# Altium PCB AMDC_uAMDC_Overlay.PcbDoc (part 4 of 6) (continued)
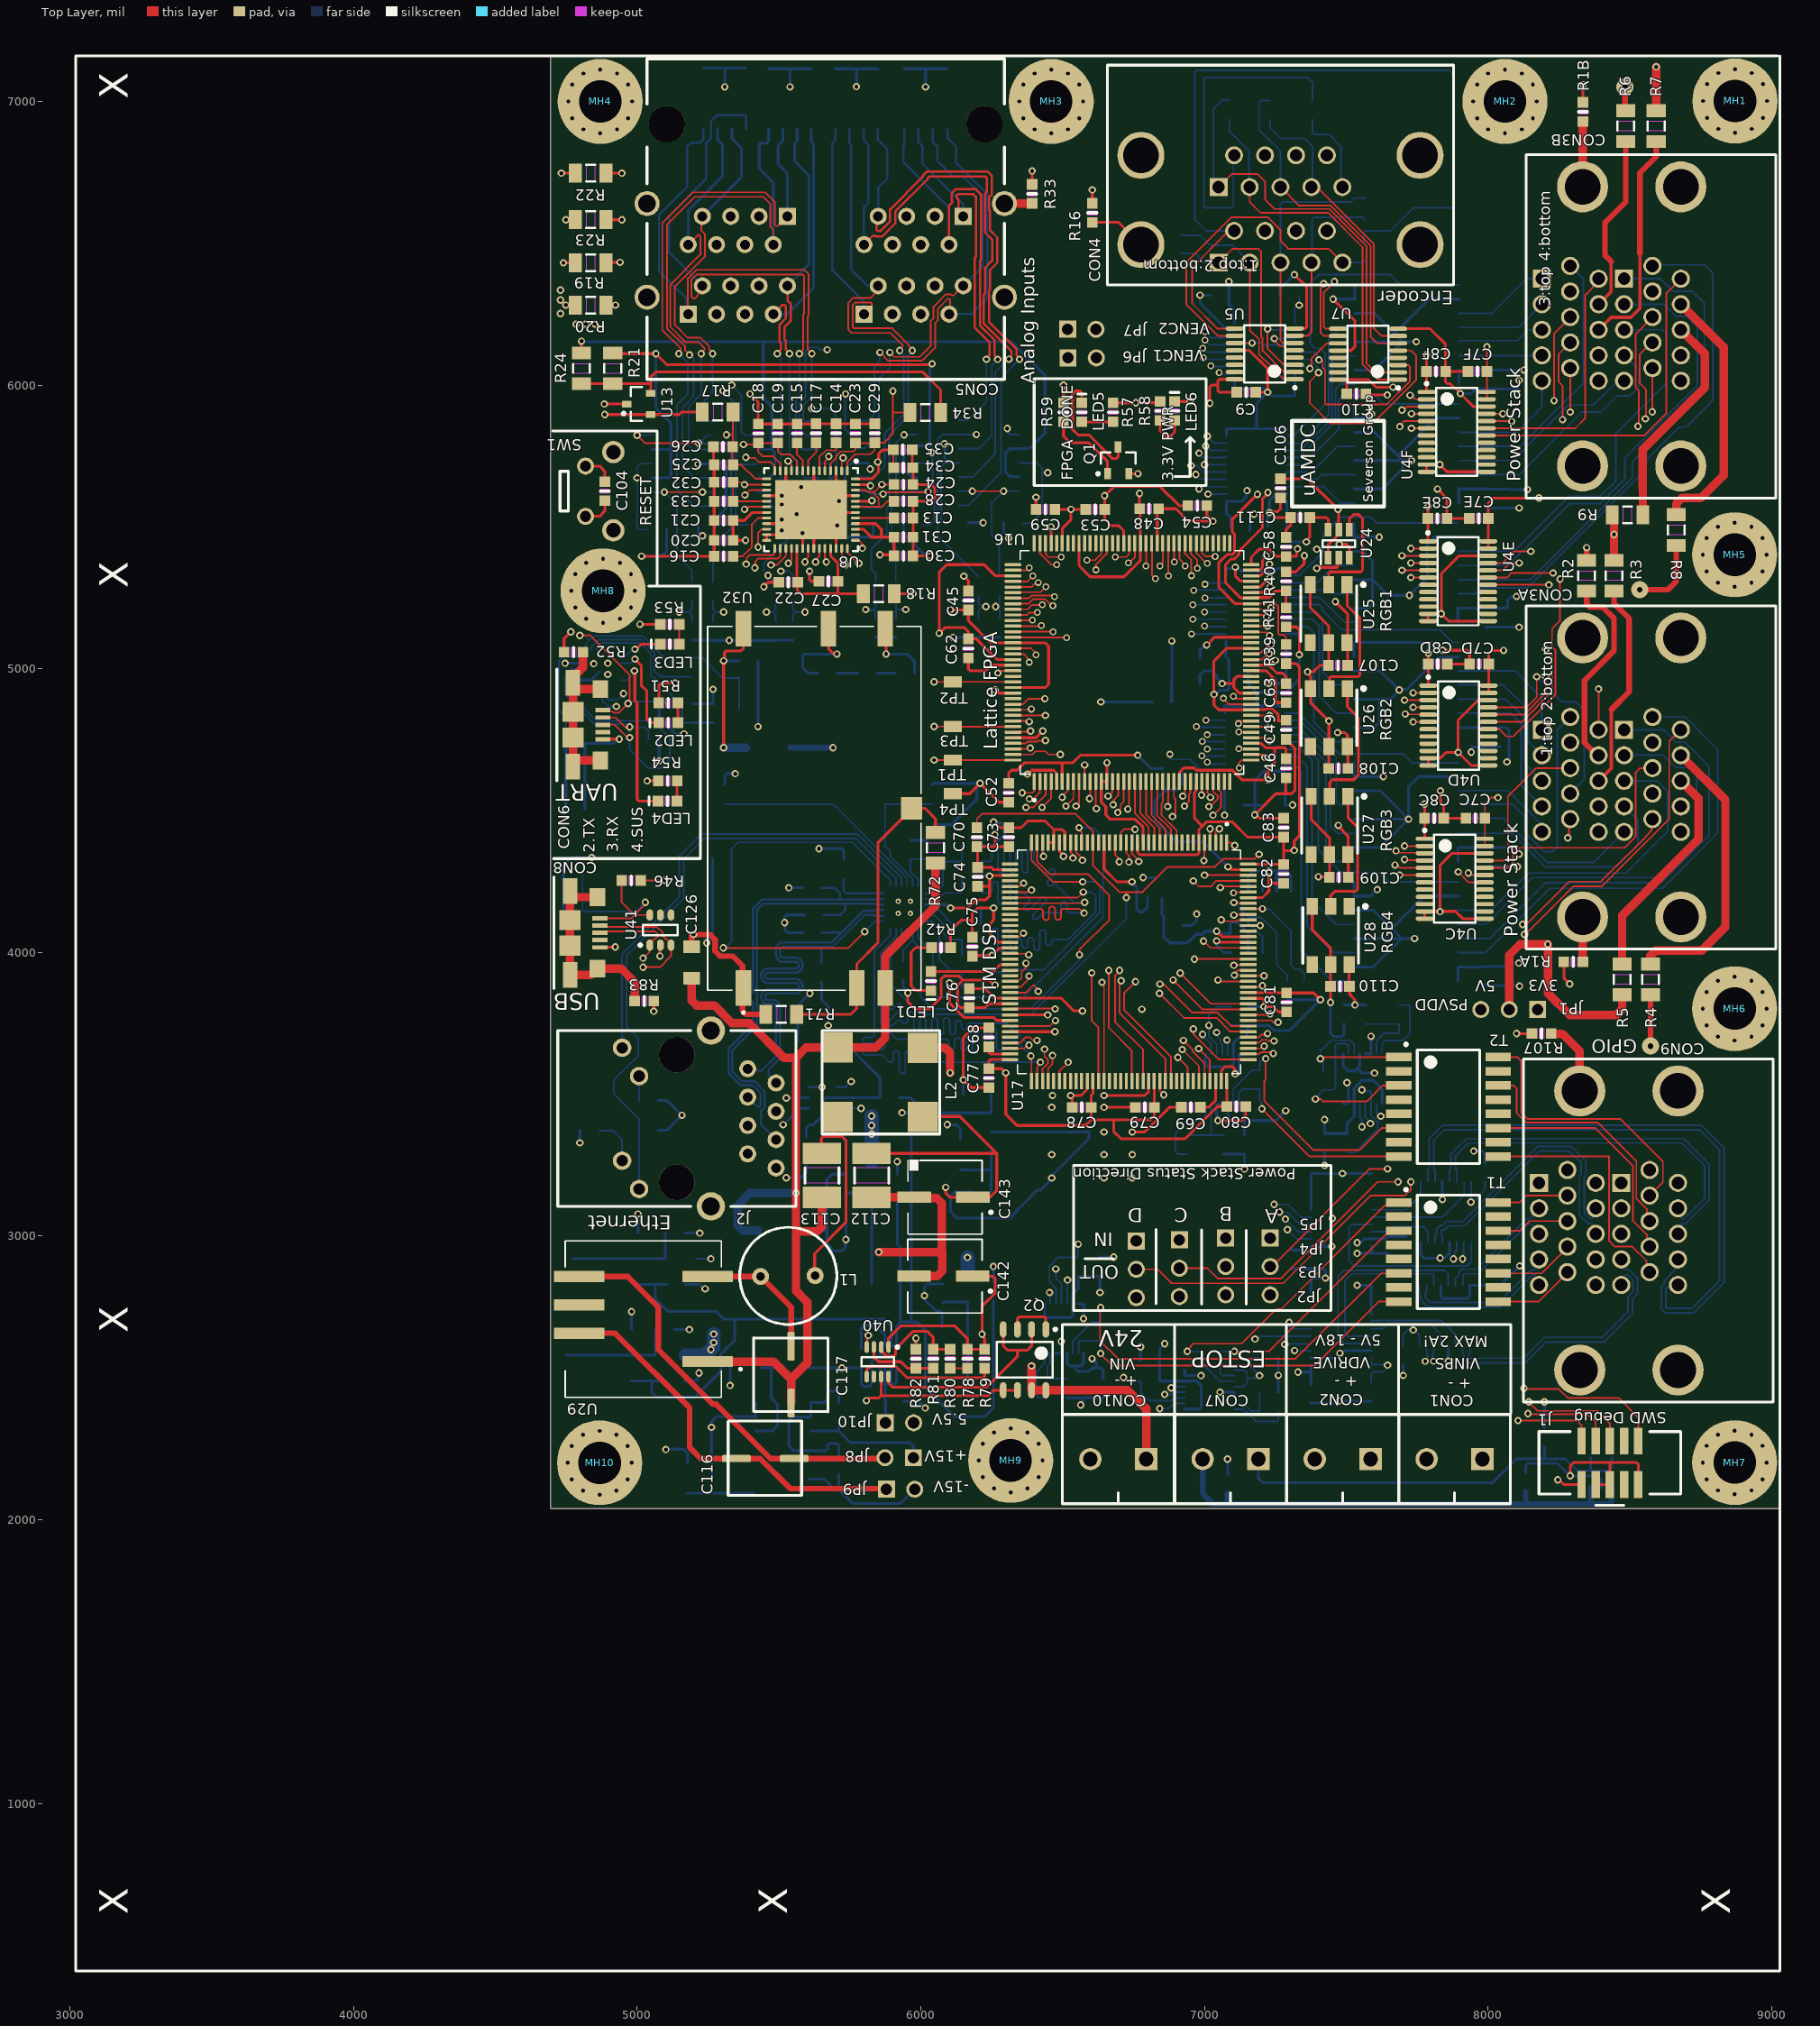
[diagram p0: Top Layer view]
## Nets (pads, with @x,y where several pads share a name; then routed paths per layer and width w, separated by ;. In a path a pad name is that pad's centre, name@x,y a point inside that pad or via, vN(x,y) a via of type N, cw(c..) or ccw(c..) an arc to the next point about the centre after c; other vN are vias at no path point) (continued)
  other v1: 5262,2326 7475,2418.44 7831.3,2923 6462,3205 6646.2,3205 6746,3205 6462,3287.65 6646.2,3287.65 6746,3287.65 6646.2,3367 6462,3454 6464.64,3495.64 6528.09,3495.64 4896.38,4979.94 4847,5018 4896.38,5019.31 5510.15,5487.94 5510.15,5579.32 5711.83,5591.73 5510.15,5610.21 5578.79,5640
  other v5: 5920.35,4137.35 5963.65,4137.35 5920.35,4180.65 5963.65,4180.65
GND_IN: C112.1 C142.2 C143.2 CON10.2 L2.2 R82.2 U40.4 | length 3520.6
  Top Layer w10: U40.4@5809.61,2609.17 5810.71,2610.27 5810.71,2641.38 5815,2645.67 v1(5815,2650) ; R82.2@5983,2601.46 v2(5983,2640.16)
  Top Layer w30: C112.1@5827,3136.52 5827.24,3136.76 5977.07,3136.76 C143.2@5977.31,3137 5980.34,3133.97 6056.65,3133.97 6074.23,3116.39 6074.23,2944.05 ; v2(5852.05,2944.05) 6074.23,2944.05 ; C142.2@5976.31,2859 6057.61,2859 6075.18,2876.57 6075.18,2945 6074.23,2944.05 ; L2.2@6007,3664 6086.08,3664 6103.65,3646.43 6103.65,3575.63 v2@6103.7,3575.58
  Int2 (Sign) w30: v1(5815,2650) 5815,2655.54 5851.46,2692 ; v2(5852.05,2944.05) 5852.05,2842.05 5851.46,2841.46 5851.46,2692 ; v2(5983,2640.16) 5983,2692 ; v2@6103.7,3575.58 v2(6103.65,3575.54) 6103.65,3525 6341,3287.65 6341,2692 ; CON10.2@6598.15,2214 6598.15,2469.69 6375.84,2692 6341,2692 ; 5851.46,2692 5983,2692 ; 5983,2692 6341,2692
GND_IN2: C113.1 C117.2 C123.1 C126.1 L2.3 R72.2 U29.1 U32.3 | length 3714.8
  Top Layer w30: C126.1@5192,3908.57 5192,3830.83 5209.57,3813.25 5272.16,3813.25 5334.41,3751 5395.63,3751 5517.63,3629 5560,3629 ; U29.1@5248.38,2558 5481,2558 5543,2496 ; C117.2@5543,2412 5543,2496 ; C113.1@5652,3136.52 5652,3034.57 5634.43,3017 5560,3017 ; R72.2@6052,4314.87 6052,4164 5874.69,3986.69 U32.3@5874.69,3874.54 5874.69,3698.41 5841.19,3664.91 L2.3@5707.79,3664.91 5595.91,3664.91 5560,3629 ; 5543,2496 5600,2553 5600,2767.29 5560,2807.29 5560,3017 ; 5560,3017 v2(5560,3152) 5560,3629
  Bottom Layer w30: C123.1@5425.52,3020 5371.57,3020 5354,3037.57 5354,3108 5398,3152 v2(5560,3152)
GND_IN_PS: CON1.2 CON3A.14A CON3A.14B CON3B.14A CON3B.14B | length 7739.5
  Int2 (Sign) w20: 8374,4361.12 8374,4373.12 8342,4405.12 8342,4467 CON3A.14A@8390,4515 ; CON3B.14A@8390,6105 8378.09,6105 8342,6068.91 8342,5995.12 8385.12,5952 8453.9,5952
  Int2 (Sign) w50: CON1.2@7784,2214 7923,2075 8463,2075 8995,2607 8995,3414.06 8665,3744.06 8665,3887.06 ; 8374,4361.12 8559,4176.12 8559,3993.06 8665,3887.06 ; 8453.9,5952 8639,5952 8710.51,5880.49 8995,5880.49 ; CON3A.14B@8680,4515 8995,4515 ; CON3B.14B@8680,6105 8681.16,6103.84 8869.16,6103.84 8995,5978 8995,5880.49 ; 8665,3887.06 8676.53,3875.53 8995,4194 8995,4515 ; 8995,4515 8995,4998 8655,5338 8655,5442.97 8995,5782.97 8995,5880.49
GPIO_IN1: U4A.21 U45.5 | length 783.4
  Bottom Layer w6: U4A.21@7588.3,2622.02 7493,2622.02 7471,2644.02 7471,2858 7492.08,2879.08 7847.82,2879.08 7859.82,2867.08 U45.5@7859.82,2826.59
GPIO_IN1_N: CON9.3A U45.7 | length 399.6
  Bottom Layer w6: U45.7@7911,2826.59 7912.87,2828.45 7912.87,2865.43 7914.51,2867.08 7965.55,2867.08 8143.47,3045 8148.44,3045 8180,3013.44 CON9.3A@8180,3008
GPIO_IN1_P: CON9.2A U45.6 | length 430.1
  Bottom Layer w6: U45.6@7885.41,2826.59 7885.41,2851.16 7896.87,2862.62 7896.87,2872.06 7907.89,2883.08 7958.93,2883.08 8136.84,3061 8148.44,3061 8180,3092.56 CON9.2A@8180,3098
GPIO_IN2: U4A.20 U45.3 | length 643.7
  Bottom Layer w6: U4A.20@7588.3,2647.61 7504.39,2647.61 7496,2656 7496,2836 7495.49,2836.51 7495.49,2841.49 7521.08,2867.08 7805.12,2867.08 7808.64,2863.57 U45.3@7808.64,2826.59
GPIO_IN2_N: CON9.5A U45.1 | length 555.6
  Bottom Layer w6: U45.1@7757.46,2826.59 7757.46,2800.33 7762.25,2795.53 7762.25,2777.27 7789.52,2750 8044.02,2750 8159.02,2865 8163.99,2865 8168.9,2860.09 8168.9,2839.1 CON9.5A@8180,2828
GPIO_IN2_P: CON9.4A U45.2 | length 529.1
  Bottom Layer w6: U45.2@7783.05,2826.59 7783.05,2800.33 7778.25,2795.53 7778.25,2783.89 7796.15,2766 8037.39,2766 8152.39,2881 8163.99,2881 8168.9,2885.91 8168.9,2906.9 CON9.4A@8180,2918
GPIO_IN3: U4A.19 U45.13 | length 308
  Bottom Layer w6: U4A.19@7588.3,2673.2 7628,2673.2 7645.77,2690.98 7796.24,2690.98 7834.23,2652.99 U45.13@7834.23,2613.99
GPIO_IN3_N: CON9.3B U45.15 | length 1191.8
  Int2 (Sign) w6: v4(7778.64,2559) 7778.64,2554.13 7785.64,2547.13 7785.64,2521.73 7813.37,2494 8149.54,2494 8282.54,2627 8332.49,2627 8474,2768.51 8474,2783.49 8477.51,2787 8486.98,2787 8511,2811.02 8511,2967 CON9.3B@8470,3008
  Bottom Layer w6: v4(7778.64,2559) 7778.64,2562.31 7787.84,2571.51 7787.84,2582.93 7783.05,2587.73 U45.15@7783.05,2613.99
GPIO_IN3_P: CON9.2B U45.14 | length 1219
  Int2 (Sign) w6: v4(7808.64,2559) 7808.64,2554.13 7801.64,2547.13 7801.64,2528.36 7820,2510 8142.91,2510 8275.91,2643 8325.86,2643 8458,2775.14 8458,2783.49 8454.49,2787 8453.02,2787 8429,2811.02 8429,3057 CON9.2B@8470,3098
  Bottom Layer w6: v4(7808.64,2559) 7805.19,2562.44 7805.19,2570.16 7803.84,2571.51 7803.84,2582.93 7808.64,2587.73 U45.14@7808.64,2613.99
GPIO_IN4: U4A.18 U45.11 | length 358.3
  Bottom Layer w6: U4A.18@7588.5,2699 7592.48,2702.98 7835.42,2702.98 7885.41,2652.99 U45.11@7885.41,2613.99
GPIO_IN4_N: CON9.5B U45.9 | length 869.6
  Bottom Layer w6: U45.9@7936.59,2613.99 7936.59,2587.73 7931.8,2582.93 7931.8,2573.49 7935.31,2569.98 8125.14,2569.98 8198.17,2643 8404,2643 8493.31,2732.31 8493.31,2784.49 8511,2802.18 8511,2844.98 8490.98,2865 8486.01,2865 8481.1,2860.09 8481.1,2839.1 CON9.5B@8470,2828
GPIO_IN4_P: CON9.4B U45.10 | length 949.1
  Bottom Layer w6: U45.10@7911,2613.99 7911,2587.73 7915.8,2582.93 7915.8,2566.86 7928.68,2553.98 8131.77,2553.98 8204.79,2627 8410.63,2627 8509.31,2725.69 8509.31,2777.86 8527,2795.55 8527,2851.61 8497.61,2881 8486.01,2881 8481.1,2885.91 8481.1,2906.9 CON9.4B@8470,2918
GPIO_OUT1: U4B.21 U44.7 | length 251.6
  Bottom Layer w6: U4B.21@7589.3,3016.02 7651.53,3016.02 7668.51,3033 7773.53,3033 7788.02,3018.5 U44.7@7788.02,2978.7
GPIO_OUT1_N: CON9.13A U44.5 | length 953.7
  Bottom Layer w6: U44.5@7839.2,2978.7 7839.2,3004.96 7834.41,3009.76 7834.41,3019.2 7837.92,3022.71 7847,3022.71 7859.82,3035.54 7917.54,3035.54 8182,3300 8287,3300 8329,3258 8329,3217.61 8323,3211.61 8323,3074.39 8352.39,3045 8363.99,3045 8368.9,3040.09 8368.9,3019.1 CON9.13A@8380,3008
GPIO_OUT1_P: CON9.12A U44.6 | length 980.2
  Bottom Layer w6: U44.6@7813.61,2978.7 7813.61,3004.96 7818.41,3009.76 7818.41,3025.82 7831.3,3038.71 7840.37,3038.71 7853.19,3051.54 7910.91,3051.54 8175.37,3316 8293.63,3316 8345,3264.63 8345,3210.98 8339,3204.98 8339,3081.02 8359.02,3061 8363.99,3061 8368.9,3065.91 8368.9,3086.9 CON9.12A@8380,3098
GPIO_OUT2: U4B.20 U44.1 | length 714.8
  Bottom Layer w6: U4B.20@7589.3,3041.61 7588.63,3040.95 7521.08,3040.95 7509.52,3029.38 7509.52,2913.75 7528.19,2895.08 7926.08,2895.08 7941.57,2910.57 U44.1@7941.57,2978.7
GPIO_OUT2_N: CON9.15A U44.3 | length 744.6
  Int2 (Sign) w6: v1(7878.47,2919.88) 7880.81,2917.53 7880.81,2897.88 8032.69,2746 8271.63,2746 8332.54,2806.91 8332.54,2838.52 8359.02,2865 8363.99,2865 8368.9,2860.09 8368.9,2839.1 CON9.15A@8380,2828
  Bottom Layer w6: v1(7878.47,2919.88) 7878,2920.35 7878,2931.89 7884.56,2938.44 7884.56,2946.61 7890.39,2952.44 U44.3@7890.39,2978.7
GPIO_OUT2_P: CON9.14A U44.2 | length 713.9
  Int2 (Sign) w6: v1(7910.47,2919.88) 7906.64,2916.06 7906.64,2900.02 7903.97,2897.34 8039.31,2762 8265,2762 8316.54,2813.54 8316.54,2845.15 8352.39,2881 8363.99,2881 8368.9,2885.91 8368.9,2906.9 CON9.14A@8380,2918
  Bottom Layer w6: v1(7910.47,2919.88) 7913.98,2923.4 7914.11,2923.4 7914.11,2976.84 U44.2@7915.98,2978.7
GPIO_OUT3: U4B.19 U44.15 | length 405.8
  Bottom Layer w6: U4B.19@7589.3,3067.2 7839.2,3067.2 7915.98,3143.98 U44.15@7915.98,3191.3
GPIO_OUT3_N: CON9.13B U44.13 | length 1368.4
  Bottom Layer w6: U44.13@7864.8,3191.3 7864.8,3232.2 7869.59,3237 7869.59,3289.22 7924.37,3344 8689.63,3344 8780,3253.63 8780,3127.39 8697.61,3045 8686.01,3045 8681.1,3040.09 8681.1,3019.1 CON9.13B@8670,3008
GPIO_OUT3_P: CON9.12B U44.14 | length 1288.9
  Bottom Layer w6: U44.14@7890.39,3191.3 7890.39,3232.2 7885.59,3237 7885.59,3282.59 7931,3328 8683,3328 8764,3247 8764,3134.02 8690.98,3061 8686.01,3061 8681.1,3065.91 8681.1,3086.9 CON9.12B@8670,3098
GPIO_OUT4: U4B.18 U44.9 | length 241.7
  Bottom Layer w6: U4B.18@7589.3,3092.8 7711.25,3092.8 7762.43,3143.98 U44.9@7762.43,3191.3
GPIO_OUT4_N: CON9.15B U44.11 | length 2006.8
  Bottom Layer w6: U44.11@7813.61,3191.3 7813.61,3232.2 7808.82,3237 7808.82,3337.72 7846.1,3375 8746,3375 8816,3305 8816,2842 8720,2746 8630.51,2746 8627,2749.51 8627,2814.4 8632.51,2819.92 8661.92,2819.92 CON9.15B@8670,2828
GPIO_OUT4_P: CON9.14B U44.10 | length 2192.2
  Bottom Layer w6: U44.10@7788.02,3191.3 7788.02,3232.2 7792.82,3237 7792.82,3344.34 7839.48,3391 8752.63,3391 8832,3311.63 8832,2835.37 8726.63,2730 8623.89,2730 8611,2742.89 8611,2821.03 8623,2833.03 8623,2843.31 8658.9,2879.21 8658.9,2906.9 CON9.14B@8670,2918
IMA: R103.2 T1.3 U20A.10 | length 937.6
  Top Layer w6: v2(7106,2594) 7228,2594 7641,3007 7674,3007 T1.3@7686,3019
  Bottom Layer w6: U20A.10@7106,2508.68 7063.68,2508.68 7055.46,2516.9 R103.2@7055.46,2594 v2(7106,2594)
IMB: R104.2 T1.8 U20B.10 | length 1327.7
  Top Layer w6: v2(6634.27,2586.4) 6634.27,2584.13 6674.4,2544 7389.37,2544 7614.37,2769 T1.8@7686,2769
  Bottom Layer w6: U20B.10@6555.21,2586.4 6555.92,2587.11 6555.92,2625.21 6562.24,2631.54 R104.2@6632,2631.54 6634.27,2629.27 v2(6634.27,2586.4)
IMC: R105.2 T2.3 U20C.10 | length 639.4
  Top Layer w6: v2(7391.8,3483.22) 7410.87,3483.22 7419.35,3474.74 7572.74,3474.74 7629,3531 T2.3@7686,3531
  Bottom Layer w6: v2(7391.8,3483.22) 7391.8,3484.89 7403.65,3496.74 7403.65,3499.83 R105.2@7419.35,3515.54 7453.54,3515.54 7462,3524 7462,3671.64 7468.81,3678.45 7501.36,3678.45 7508.18,3671.64 7508.18,3643.49 U20C.10@7508.79,3642.87
IMD: R106.2 T2.8 U20D.10 | length 745.8
  Top Layer w6: v2(7203,3449) 7371,3281 T2.8@7686,3281
  Bottom Layer w6: U20D.10@7122.21,3464.4 7122.21,3506.72 7134.02,3518.54 R106.2@7195.68,3518.54 7195.68,3477 7201.68,3471 7201.68,3450.32 v2(7203,3449)
IN1: U4A.3 U17.76 | length 1713.6
  Top Layer w6: U17.76@6449.35,3546.84 6449.35,3592.43 6464.64,3607.71 v2(6464.64,3636.95)
  Int2 (Sign) w6: v2(6464.64,3636.95) 6660.78,3636.95 7185.75,3111.97 7271,3026.73 7271,2776.85 7247,2752.85 7247,2615 7265.57,2596.43 v2(7318,2596.43)
  Bottom Layer w6: v2(7318,2596.43) U4A.3@7375.7,2596.43
IN2: U4A.4 U17.116 | length 1412.1
  Top Layer w6: U17.116@7154.87,3760.23 7236.92,3760.23 7243,3754.15 v1(7259.79,3754.15)
  Int2 (Sign) w6: v1(7259.79,3754.15) 7259.79,3749.18 7257.78,3747.17 7354,3650.95 7354,2791.78 7277,2714.78 7277,2672.59 7283.55,2666.04 v1(7283.55,2618.43)
  Bottom Layer w6: v1(7283.55,2618.43) 7285.34,2620.23 7373.91,2620.23 U4A.4@7375.7,2622.02
IN3: U4A.5 U17.78 | length 1610.1
  Top Layer w6: U17.78@6488.72,3546.84 6488.72,3581.72 v2(6520,3613)
  Int2 (Sign) w6: v2(6520,3613) 6658.6,3613 7164.65,3106.94 7164.65,2651.2 v1(7178.49,2637.37)
  Bottom Layer w6: v1(7178.49,2637.37) 7183.9,2637.37 7194.14,2647.61 U4A.5@7375.7,2647.61
IN4: U4A.6 U17.124 | length 1495.2
  Top Layer w6: U17.124@7154.87,3917.71 v2(7210.68,3917.71)
  Int2 (Sign) w6: v2(7210.68,3917.71) 7263.29,3917.71 7366,3815 7366,2784.2 7299.91,2718.11 7299.91,2697.02 v1(7299,2696.11)
  Bottom Layer w6: v1(7299,2696.11) 7302.83,2692.29 7302.83,2677.49 7307.11,2673.2 U4A.6@7375.7,2673.2
INV1_PWM1: CON3A.1A U1B.11 | length 447.4
  Bottom Layer w6: U1B.11@7894.93,4993 8095,4993 8190,4898 CON3A.1A@8190,4785
INV1_PWM2: CON3A.2A U1B.12 | length 464
  Bottom Layer w6: U1B.12@7894.93,4943 8055,4943 8141,4857 8141,4744 CON3A.2A@8190,4695
INV1_PWM3: CON3A.3A U1B.13 | length 508.7
  Bottom Layer w6: U1B.13@7894.93,4893 8063,4893 8129,4827 8129,4666 CON3A.3A@8190,4605
INV1_PWM4: CON3A.4A U1B.14 | length 559.2
  Bottom Layer w6: U1B.14@7894.93,4843 8081,4843 8117,4807 8117,4588 CON3A.4A@8190,4515
INV1_PWM5: CON3A.5A U3C.11 | length 368.8
  Bottom Layer w6: U3C.11@7897,4571 8070.14,4571 8179.84,4461.31 8179.84,4435.16 CON3A.5A@8190,4425
INV1_PWM6: CON3A.6A U3C.12 | length 921.5
  Bottom Layer w6: U3C.12@7907,4523 8086,4523 8129,4480 8129,4425 8198,4356 8227,4356 8244,4373 8244,4784 CON3A.6A@8290,4830
INV2_PWM1: CON3A.1B U1C.13 | length 1631.5
  Bottom Layer w6: U1C.13@7895,4049 8007,4049 8204,4246 8612,4246 8780,4414 8780,4607.37 8780,4655.81 8693.81,4742 8662.19,4742 8619.19,4785 CON3A.1B@8480,4785
INV2_PWM2: CON3A.2B U1C.12 | length 1481.4
  Bottom Layer w6: U1C.12@7895,4099 7993.14,4099 8158.14,4264 8607.37,4264 8735,4391.63 8735,4629.75 8712.75,4652 8662.19,4652 8619.19,4695 CON3A.2B@8480,4695
INV2_PWM3: CON3A.3B U1C.11 | length 1174.3
  Bottom Layer w6: U1C.11@7883.02,4149 8012,4149 8143,4280 8486,4280 8633,4427 8633,4567.81 8595.81,4605 CON3A.3B@8480,4605
INV2_PWM4: CON3A.4B U3C.14 | length 872.6
  Bottom Layer w6: U3C.14@7894.93,4420 8085,4420 8204,4301 8452,4301 8529,4378 8529,4466 CON3A.4B@8480,4515
INV2_PWM5: CON3A.5B U3C.13 | length 682.4
  Bottom Layer w6: U3C.13@7907,4473 8054.63,4473 8210.63,4317 8372,4317 CON3A.5B@8480,4425
INV2_PWM6: CON3A.6B U1C.14 | length 1661.7
  Bottom Layer w6: U1C.14@7895,3999 7990.89,3999 8217.89,4226 8614.63,4226 8810,4421.37 8810,4715.81 8695.81,4830 CON3A.6B@8580,4830
INV3_PWM1: CON3B.1A U3A.11 | length 342.6
  Bottom Layer w6: U3A.11@7897.93,6253 8013,6253 8135,6375 CON3B.1A@8190,6375
INV3_PWM2: CON3B.2A U3A.12 | length 326
  Bottom Layer w6: U3A.12@7897.93,6203 8108,6203 CON3B.2A@8190,6285
INV3_PWM3: CON3B.3A U3A.13 | length 309.5
  Bottom Layer w6: U3A.13@7897.93,6153 7901.93,6157 8105.35,6157 8143.35,6195 CON3B.3A@8190,6195
INV3_PWM4: CON3B.4A U3A.14 | length 292.9
  Bottom Layer w6: U3A.14@7897.93,6103 7898.93,6104 8189,6104 CON3B.4A@8190,6105
INV3_PWM5: CON3B.5A U1A.11 | length 422.5
  Bottom Layer w6: U1A.11@7896.93,5834 8102,5834 8190,5922 CON3B.5A@8190,6015
INV3_PWM6: CON3B.6A U1A.12 | length 964.3
  Bottom Layer w6: U1A.12@7896.93,5784 8113,5784 8337,6008 8337,6373 CON3B.6A@8290,6420
INV4_PWM1: CON3B.1B U3B.13 | length 1803.4
  Bottom Layer w6: U3B.13@7893.93,5314 8149.63,5314 8509,5673.37 8509,5730 8763,5984 8763,6289 8721.5,6330.5 8653.5,6330.5 8609,6375 CON3B.1B@8480,6375
INV4_PWM2: CON3B.2B U3B.12 | length 1648.4
  Bottom Layer w6: U3B.12@7893.93,5364 8069.89,5364 8287.89,5582 8395,5582 8483,5670 8483,5743 8739,5999 8739,6204 8701,6242 8662.19,6242 8619.19,6285 CON3B.2B@8480,6285
INV4_PWM3: CON3B.3B U3B.11 | length 1407.3
  Bottom Layer w6: U3B.11@7893.93,5414 8093,5414 8287,5608 8396,5608 8451,5663 8451,5830 8629,6008 8629,6182 8616,6195 CON3B.3B@8480,6195
INV4_PWM4: CON3B.4B U1A.14 | length 896
  Bottom Layer w6: U1A.14@7896.93,5684 8110,5684 8331,5905 8397,5905 8454,5962 8500,5962 8532,5994 8532,6053 CON3B.4B@8480,6105
INV4_PWM5: CON3B.5B U1A.13 | length 699.5
  Bottom Layer w6: U1A.13@7896.93,5734 8087.53,5734 8283.04,5929.5 8372.5,5929.5 8447.67,6004.67 8469.67,6004.67 CON3B.5B@8480,6015
INV4_PWM6: CON3B.6B U3B.14 | length 1874.7
  Bottom Layer w6: U3B.14@7893.93,5264 7958,5264 7979,5285 8139,5285 8533,5679 8533,5710.84 8674.08,5851.92 8697.92,5851.92 8793,5947 8793,6394 8763,6424 8584,6424 CON3B.6B@8580,6420
INV_STS_A1: CON3A.8A U4C.21 | length 562.1
  Top Layer w6: U4C.21@7989.3,4323.98 8059.6,4323.98 8070.14,4334.52 8070.14,4550.14 8170,4650 CON3A.8A@8290,4650
INV_STS_A2: CON3A.8B U4C.20 | length 892.1
  Top Layer w6: U4C.20@7989.3,4298.39 8069.15,4298.39 8088,4317.23 8088,4356.11 8100.89,4369 8481.98,4369 8521,4408.02 8521,4635 8536,4650 CON3A.8B@8580,4650
INV_STS_A3: CON3B.8A U4C.19 | length 2364.5
  Top Layer w6: v2(7931,4280) 7931,4276.89 7926.91,4272.8 U4C.19@7989.3,4272.8 ; v2(8233,5945) 8233,6181.32 8290,6238.32 CON3B.8A@8290,6240
  Int2 (Sign) w6: v2(7931,4280) 7931,4273.3 7919,4285.3 7919,5906.07 7957.93,5945 v2(8233,5945)
INV_STS_A4: CON3B.8B U4C.18 | length 2866.2
  Top Layer w6: v2(7894.93,4284) 7931.72,4247.2 U4C.18@7989.3,4247.2 ; v2(8528.74,5855.18) 8532,5858.44 8532,5980.66 8521,5991.66 8521,6181 CON3B.8B@8580,6240
  Int2 (Sign) w6: v2(7894.93,4284) 7894.93,4674.22 7873,4696.15 7873,4745.07 7902.63,4774.7 7902.63,5906.67 7962.96,5967 8288.94,5967 8400.76,5855.18 v2(8528.74,5855.18)
INV_STS_A_DIR: JP2.2 U4C.2 | length 1847.5
  Top Layer w6: JP2.2@7232,2893 7238.94,2893 7582.94,3237 v2(7646,3237) ; v2(7706,4375.16) U4C.2@7776.7,4375.16
  Int2 (Sign) w6: v2(7646,3237) 7775.14,3366.14 7775.14,4306.02 v2(7706,4375.16)
INV_STS_B1: CON3A.9A U4D.21 | length 787.6
  Top Layer w6: U4D.21@8002.3,4863.98 8135.98,4863.98 8172,4900 v2(8172,4972)
  Bottom Layer w6: v2(8172,4972) 8261,4883 8310,4883 8340,4853 8340,4610 CON3A.9A@8290,4560
INV_STS_B2: CON3A.9B U4D.20 | length 977.7
  Top Layer w6: U4D.20@8002.3,4838.39 8127.36,4838.39 8204,4915.03 v2(8204,4972)
  Int2 (Sign) w6: v2(8204,4972) 8204,4971 8278,4897 8482,4897 8530,4849 8530,4610 CON3A.9B@8580,4560
INV_STS_B3: CON3B.9A U4D.19 | length 1563.5
  Top Layer w6: U4D.19@8002.3,4812.8 8118.74,4812.8 8226,4920.06 8226,5046.89 v2(8204,5068.89) ; v2(8263,5878.35) 8263,5998 8249,6012 8249,6109 CON3B.9A@8290,6150
  Int2 (Sign) w6: v2(8204,5068.89) 8204,5157.54 8193,5168.54 8193,5583.89 8202,5592.89 8202,5817.35 v2(8263,5878.35)
INV_STS_B4: CON3B.9B U4D.18 | length 1719.9
  Top Layer w6: U4D.18@8002.3,4787.2 8039.37,4787.2 8064.96,4761.61 8089.89,4761.61 8149,4820.73 8238,4909.73 8238,5064.54 8226,5076.54 8226,5141.46 8254,5169.46 v2(8254,5316) ; v2(8554.78,5881.22) 8557,5883.44 8557,5984.69 8534.49,6007.21 8534.49,6107.49 8577,6150 CON3B.9B@8580,6150
  Int2 (Sign) w6: v2(8254,5316) 8254,5489.51 8554.78,5790.29 v2(8554.78,5881.22)
INV_STS_B_DIR: JP3.2 U4D.2 | length 2576.9
  Top Layer w6: v2(7736,4915.16) U4D.2@7789.7,4915.16
  Int2 (Sign) w6: v1(7450.83,3062.52) 7509.52,3062.52 7808,3361 7808,4843.16 v2(7736,4915.16)
  Int3 (Sign) w6: JP3.2@7075,2893 7128,2946 7355.35,2946 7449.87,3040.52 7449.87,3061.56 v1(7450.83,3062.52)
INV_STS_C1: CON3A.10A U4E.21 | length 1315
  Top Layer w6: U4E.21@8001,5372.82 8051.25,5372.82 8092.43,5414 v2(8151,5414) ; v2(8281.69,4404.04) 8285.51,4407.86 8285.51,4465.51 CON3A.10A@8290,4470
  Int2 (Sign) w6: v2(8151,5414) 8150,5413 8150,4929.29 8244,4835.29 8244,4420 8261,4403 8280.65,4403 v2(8281.69,4404.04)
INV_STS_C2: CON3A.10B U4E.20 | length 2193.4
  Top Layer w6: U4E.20@8001,5347.23 8052,5347.23 8077.59,5372.82 v2(8110,5372.82) ; v2(8122,4099) 8136,4099 8287,4250 8394.51,4250 8397,4250 8438.85,4290.54 8544.93,4396.61 8576,4429 8576,4466 CON3A.10B@8580,4470
  Int2 (Sign) w6: v2(8110,5372.82) 8110,5343.02 8121,5332.02 8121,5307.64 8025,5211.64 8025,4682.55 7998.75,4656.29 7998.75,4119.25 8019,4099 v2(8122,4099)
INV_STS_C3: CON3B.10A U4E.19 | length 982.6
  Top Layer w6: U4E.19@8001,5321.64 8067,5321.64 8083.13,5337.77 v2(8229.77,5337.77) ; v2(8290,5905) CON3B.10A@8290,6060
  Int2 (Sign) w6: v2(8229.77,5337.77) 8234.54,5342.54 8234.54,5808.9 8290,5864.35 v2(8290,5905)
INV_STS_C4: CON3B.10B U4E.18 | length 1211.6
  Top Layer w6: U4E.18@8001,5296.05 v2(8215,5296.05) ; v2(8579.28,5905.72) 8579.64,5906.08 8579.64,6059.64 CON3B.10B@8580,6060
  Int2 (Sign) w6: v2(8215,5296.05) 8217.05,5294 8349.73,5294 8580,5524.27 8580,5905 v2(8579.28,5905.72)
INV_STS_C_DIR: JP4.2 U4E.2 | length 3354.9
  Top Layer w6: JP4.2@6912,2887 7011,2887 7048,2850 7269.42,2850 7610.72,3191.3 v2(7683.02,3191.3) ; v2(7728,5424) U4E.2@7788.4,5424
  Int2 (Sign) w6: v2(7683.02,3191.3) 7839.2,3347.48 7839.2,4035.02 7854.37,4050.18 7854.37,4680.84 7849,4686.21 7849,4764.05 7862,4777.05 7862,5290 v2(7728,5424)
INV_STS_D1: CON3A.11A U4F.21 | length 1392.9
  Top Layer w6: U4F.21@7996.3,5898.98 v1(8052.25,5898.98) ; CON3A.11A@8390,4785 v2(8390,4929)
  Int2 (Sign) w6: v1(8052.25,5898.98) 8087.88,5898.98 8161,5825.86 8161,5622.89 8158,5619.89 8158,5592.89 8180,5570.89 8180,5037 8288,4929 v2(8390,4929)
INV_STS_D2: CON3A.11B U4F.20 | length 3082.4
  Top Layer w6: U4F.20@7996.3,5873.39 7996.99,5872.69 8083.06,5872.69 v1(8083.75,5872) ; v2(8129,4064) 8132.11,4064 8301.11,4233 8400.98,4233 8639,4471.02 8639,4744 CON3A.11B@8680,4785
  Int2 (Sign) w6: v1(8083.75,5872) 8082.36,5872 7983,5772.64 7983,4084 8003,4064 v2(8129,4064)
INV_STS_D3: CON3B.11A U4F.19 | length 872.8
  Top Layer w6: U4F.19@7996.3,5847.8 8307.8,5847.8 8343,5883 8343,6318 8390,6365 CON3B.11A@8390,6375
INV_STS_D4: CON3B.11B U4F.18 | length 1160.5
  Top Layer w6: U4F.18@7996.3,5822.2 8550.2,5822.2 8629,5901 8629,6324 CON3B.11B@8680,6375
INV_STS_D_DIR: JP5.2 U4F.2 | length 4197
  Top Layer w6: JP5.2@6760,2883 6835,2883 6884,2834 7278,2834 7587,3143 7708,3143 7728,3163 v2(7728,3191.3) ; v1(7725.13,5964) 7728.56,5964 7742.4,5950.16 U4F.2@7783.7,5950.16
  Int2 (Sign) w6: v1(7725.13,5964) 7728.56,5964 7742.4,5950.16 7844.77,5950.16 7877.63,5917.29 7877.63,4775.71 7861,4759.08 7861,4691.18 7872.93,4679.25 7872.93,4184.67 7885.16,4172.44 7885.16,4064 7863,4041.84 7863,3326.3 v2(7728,3191.3)
IPA: R103.1 T1.1 U20A.11 | length 1198.8
  Top Layer w6: v2(6940,2594) 6940,2599.41 6952.41,2611.83 6952.41,2612.41 6961,2621 7131,2621 7252,2742 7270.04,2742 7636.16,3108.12 7675.12,3108.12 T1.1@7686,3119
  Bottom Layer w6: v2(6940,2594) R103.1@6988.54,2594 6988.54,2555.93 7055.46,2489 U20A.11@7106,2489
IPB: R104.1 T1.6 U20B.11 | length 1540.9
  Top Layer w6: v1(6634.27,2748) 6632,2745.73 6632,2631 6695,2568 7322,2568 7623,2869 T1.6@7686,2869
  Bottom Layer w6: U20B.11@6535.53,2586.4 6535.53,2628.72 6605.27,2698.46 R104.1@6632,2698.46 6634.27,2700.73 v1(6634.27,2748)